# Altium PCB ESC_4in1.PcbDoc (part 2 of 3)
Units mm, origin at the board's own origin, x right, y up, seen from the top; angles counter-clockwise.
Board outline 33 x 33 mm, 6 copper layers (Top Layer, VBAT, Layer 3, Layer 4, GND, Bottom Layer), stack 0.816 mm thick; 185 components, 151 nets, 787 pads, 340 vias.
Unrouted connection lines stored in the file: 1.
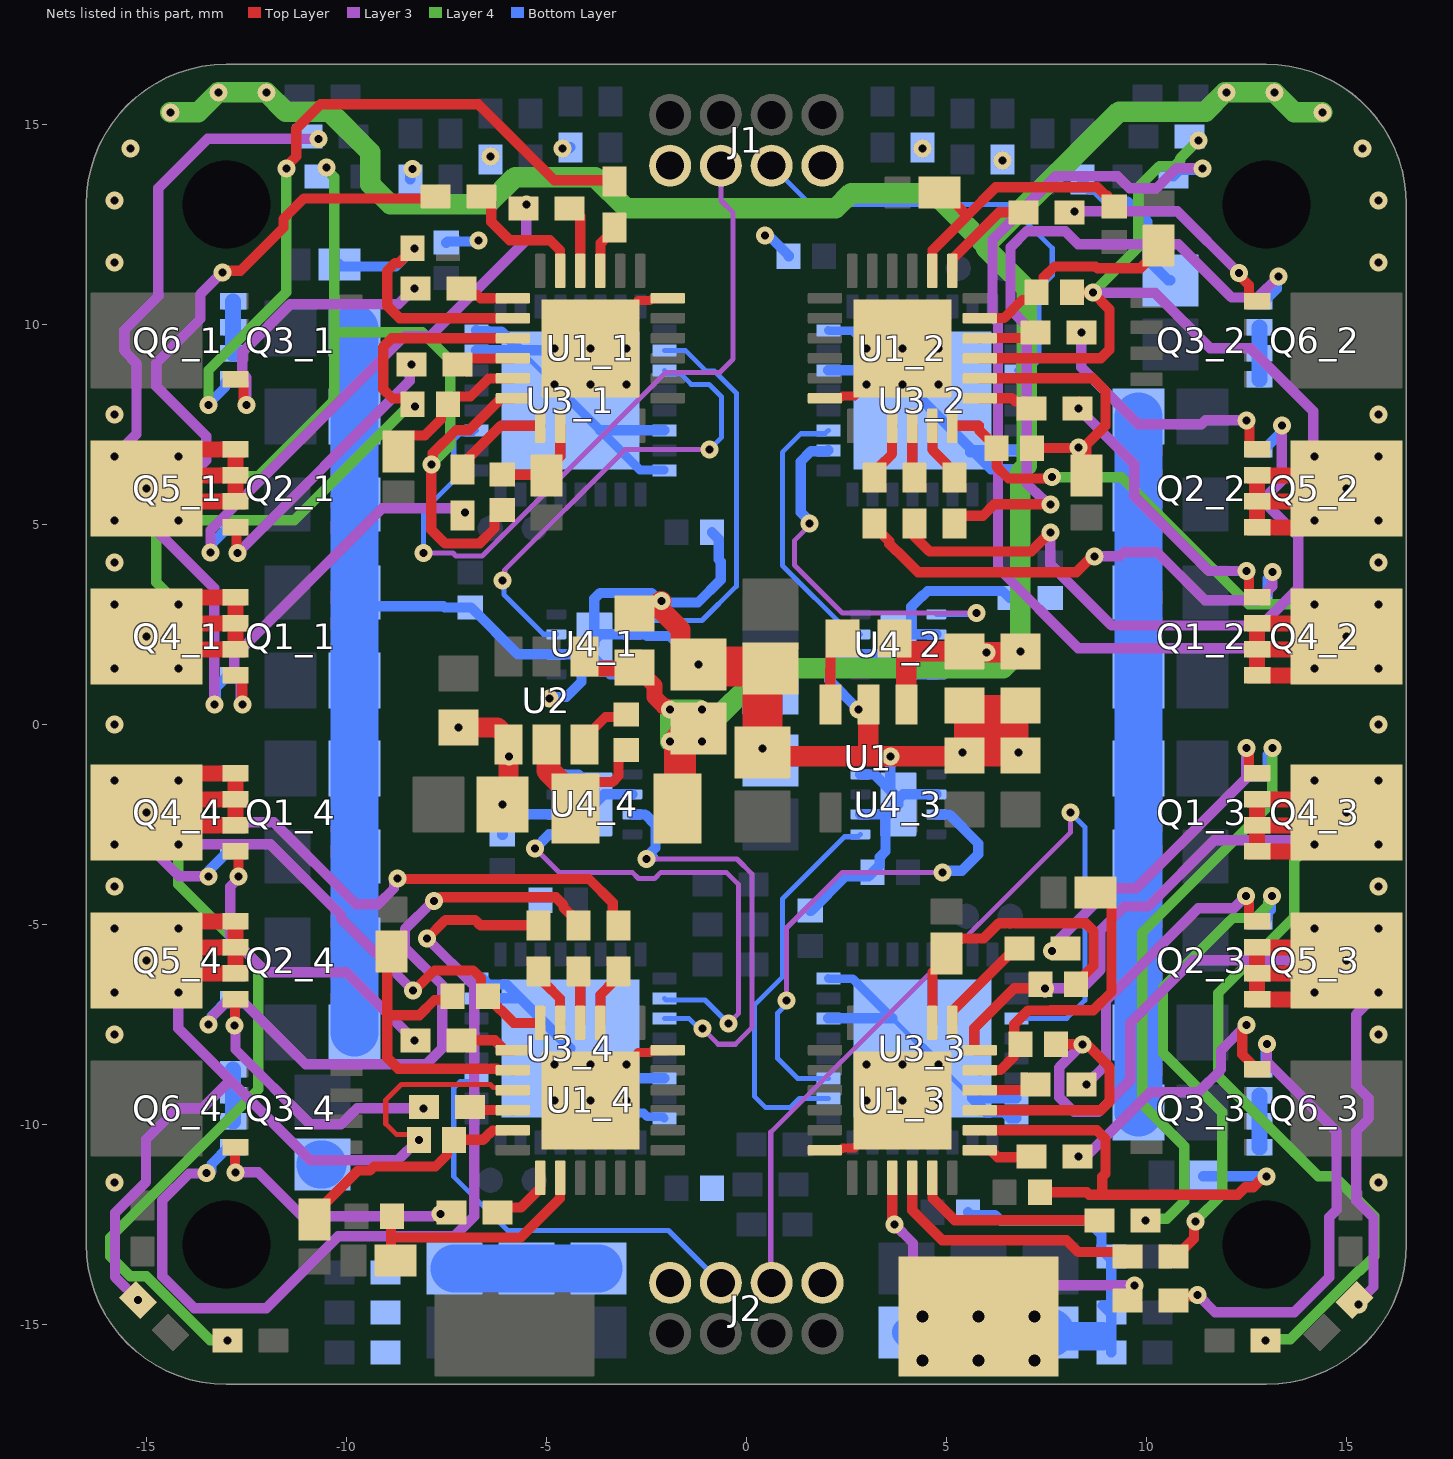
[diagram p6: the nets of this part, all layers, seen from the top]

## Via types
v1: diameter 0.45, hole 0.2, Top Layer to Bottom Layer, tented both sides, 328 vias
v2: diameter 0.6, hole 0.3, Top Layer to Bottom Layer, tented both sides, 12 vias

## Nets (pads, with @x,y where several pads share a name; then routed paths per layer and width w, separated by ;. In a path a pad name is that pad's centre, name@x,y a point inside that pad or via, vN(x,y) a via of type N, cw(c..) or ccw(c..) an arc to the next point about the centre after c; other vN are vias at no path point) (continued)
5V: C6.2 C7.1 C12.2 C13.2 L1.2 R2.2 U1.1 U2.1 | length 66.6
  Top Layer w0.254: L1.2@-1.725,-2.1 L1.2@-1.662,-2.038
  Top Layer w0.4: U2.1@-3.917,1.833 U2.1@-4.05,1.7 -4.05,1.55 -3.9,1.4 -2.7,1.4 -2.7,1.375 -2.3,0.975 -2.3,0.684 -2.066,0.45 -2.001,0.45 -1.92,0.369 v1(-1.906,0.369)
  Top Layer w0.512: R2.2@3.7,2.15 R2.2@3.7,2.123 ; U1.1@4,0.5 4,1.8 3.7,2.1 R2.2@3.7,2.123 ; v1(6.85,1.825) 6.825,1.8 5.475,1.8 C6.2@5.45,1.825 3.998,1.825 R2.2@3.7,2.123
  Top Layer w0.8: L1.2@-1.662,-2.038 C13.2@-1.662,-0.431
  Layer 4 w0.512: v1(-14.4,15.3) -13.7,15.3 v1(-13.2,15.8) v1(-12,15.8) -11.519,15.319 -10.419,15.319 -9.4,14.3 -9.4,13.5 -8.9,13 -6.463,13 -5.782,13.681 -3.781,13.681 -3,12.9 2.237,12.9 2.618,13.281 4.682,13.281 5.982,11.982 ; v1@-1.181,0.369 v1(-1.906,0.369) v1(-1.906,-0.431) -1.331,-0.431 -1.106,-0.206 ; v1(-1.106,-0.431) -1.106,-0.206 ; v1(6,1.8) 6.825,1.8 v1(6.85,1.825) ; v1(14.4,15.3) 13.7,15.3 v1(13.2,15.8) 11.963,15.8 11.482,15.319 9.319,15.319 5.982,11.982 ; -1.106,-0.206 0.5,1.4 6.425,1.4 v1(6.85,1.825) ; 5.982,11.982 5.982,11.915 7.012,10.885 7.012,6.469 6.85,6.307 v1(6.85,1.825)
  other v1: -1.106,0.369 12,15.8
BSTA_1: C3_1.1 D1_1.1 U1_1.20 | length 2.5
  Top Layer w0.254: C3_1.1@-6.1,6.24 -5.015,6.24 D1_1.1@-5,6.225 -5,6.35 -4.65,6.7 U1_1.20@-4.65,7.465
BSTA_2: C3_2.1 D1_2.1 U1_2.20 | length 6.9
  Top Layer w0.254: U1_2.20@4.65,11.335 4.658,11.343 4.658,11.851 4.899,12.092 ; D1_2.1@4.825,13.3 4.95,13.3 5.223,13.027 5.223,13.019 5.525,12.718 4.899,12.092 ; 5.529,12.721 6.234,13.427 8.773,13.427 8.987,13.213 9.027,13.213 9.027,13.113 C3_2.1@9.2,12.94
BSTA_3: C3_3.1 D1_3.1 U1_3.20 | length 7.5
  Top Layer w0.254: U1_3.20@4.65,-7.465 4.658,-7.457 4.658,-6.192 5,-5.85 5,-5.625 5.273,-5.352 5.936,-5.352 6.315,-4.973 8.485,-4.973 8.677,-5.165 8.677,-6.043 8.24,-6.48 C3_3.1@8.24,-6.5
BSTA_4: C3_4.1 D1_4.1 U1_4.20 | length 6.3
  Top Layer w0.254: D1_4.1@-9.075,-13.4 -8.88,-13.205 -8.88,-12.827 ; C3_4.1@-8.86,-12.3 -8.88,-12.32 -8.88,-12.827 ; U1_4.20@-4.65,-11.335 -4.658,-11.343 -4.658,-11.851 -4.899,-12.092 -5.634,-12.827 -8.88,-12.827
BSTB_1: C2_1.1 D2_1.1 U1_1.17 | length 3.8
  Top Layer w0.254: D2_1.1@-8.7,6.825 -8.7,6.95 -8.427,7.223 -8.035,7.223 -7.633,7.625 -7.633,7.827 C2_1.1@-7.46,8 -7.46,8.02 -7.287,8.193 -6.895,8.193 -6.446,8.642 -5.843,8.642 U1_1.17@-5.835,8.65
BSTB_2: C2_2.1 D2_2.1 U1_2.17 | length 5.5
  Top Layer w0.254: U1_2.17@5.835,10.15 5.843,10.158 6.446,10.158 6.895,10.607 7.087,10.607 7.26,10.78 C2_2.1@7.26,10.8 7.433,10.973 7.433,11.175 7.705,11.447 8.731,11.447 8.778,11.4 9.85,11.4 10.3,11.85 D2_2.1@10.3,11.975
BSTB_3: C2_3.1 D2_3.1 U1_3.17 | length 7.6
  Top Layer w0.254: U1_3.17@5.835,-8.65 5.843,-8.642 6.358,-8.642 6.687,-8.313 6.687,-8.173 C2_3.1@6.86,-8 ; C2_3.1@6.996,-7.864 C2_3.1@6.86,-8 ; D2_3.1@8.725,-4.2 8.85,-4.2 9.131,-4.481 9.131,-6.691 8.675,-7.147 7.605,-7.147 7.6,-7.152 7.048,-7.152 6.7,-7.5 6.7,-7.84 C2_3.1@6.86,-8
BSTB_4: C2_4.1 D2_4.1 U1_4.17 | length 6.2
  Top Layer w0.127: C2_4.1@-7.544,-10.628 -7.481,-10.564 C2_4.1@-7.308,-10.391
  Top Layer w0.254: D2_4.1@-10.8,-12.375 -10.8,-12.25 -9.702,-11.152 -9.405,-11.152 -9.307,-11.054 -7.769,-11.054 -7.481,-10.767 C2_4.1@-7.481,-10.564 ; C2_4.1@-7.26,-10.5 -7.146,-10.386 -6.579,-10.386 -6.42,-10.227 -6.415,-10.227 -6.346,-10.158 -5.843,-10.158 U1_4.17@-5.835,-10.15
BSTC_1: C1_1.1 D3_1.1 U1_1.14 | length 7.2
  Top Layer w0.254: C1_1.1@-8.378,11.862 C1_1.1@-8.34,11.9 ; v1(-8.3,11.9) C1_1.1@-8.34,11.9 ; U1_1.14@-5.835,10.15 -8.662,10.15 -8.977,10.465 -8.977,11.335 -8.785,11.527 -8.693,11.527 -8.34,11.88 C1_1.1@-8.34,11.9
  Bottom Layer w0.254: D3_1.1@-10.175,11.5 -10.118,11.443 -8.757,11.443 v1(-8.3,11.9)
BSTC_2: C1_2.1 D3_2.1 U1_2.14 | length 7.7
  Top Layer w0.254: U1_2.14@5.835,8.65 8.662,8.65 8.977,8.335 8.977,7.465 v1@8.5,6.988 ; C1_2.1@7.14,6.9 7.147,6.907 8.295,6.907 v1(8.302,6.914) 8.302,6.423 D3_2.1@8.5,6.225 v1@8.5,6.988 ; v1@8.406,6.894 v1@8.5,6.988 ; 8.556,7.044 v1@8.5,6.988
BSTC_3: C1_3.1 D3_3.1 U1_3.14 | length 12.1
  Top Layer w0.254: U1_3.14@5.835,-10.15 8.762,-10.15 8.977,-10.365 8.977,-11.235 8.9,-11.312 8.9,-11.762 ; C1_3.1@7.34,-11.7 8.512,-11.7 8.574,-11.762 8.9,-11.762 ; v1(13,-11.3) 12.947,-11.3 12.674,-11.573 12.474,-11.573 12.285,-11.762 8.9,-11.762
  Bottom Layer w0.254: D3_3.1@11.425,-11.3 v1(13,-11.3)
BSTC_4: C1_4.1 D3_4.1 U1_4.14 | length 7.8
  Top Layer w0.254: D3_4.1@-8.869,-5.685 -8.977,-5.793 -8.977,-7.3 ; C1_4.1@-7.34,-6.8 -7.433,-6.893 -7.793,-6.893 -8.173,-7.273 -8.95,-7.273 -8.977,-7.3 ; U1_4.14@-5.835,-8.65 -5.843,-8.642 -6.209,-8.642 -6.239,-8.612 -8.7,-8.612 -8.977,-8.335 -8.977,-7.3
ESC1: J1.3 U3_1.27 | length 18.6
  Layer 3 w0.127: v1(-8.075,4.282) -7.335,4.282 -7.257,4.204 -6.605,4.204 -2.009,8.8 -0.659,8.8 -0.328,9.131 -0.328,12.79 -0.635,13.097 J1.3@-0.635,13.965
  Bottom Layer w0.127: v1(-8.075,4.282) -8.075,5.325 -7.314,6.086 -7.314,7.109 -7.159,7.264 -6.837,7.264 U3_1.27@-6.75,7.35
ESC2: J1.5 U3_2.27 | length 11.5
  Bottom Layer w0.127: J1.5@0.635,13.965 1.6,13 6.551,13 7.648,11.902 7.648,11.222 7.313,10.887 7.313,9.091 7.159,8.936 6.836,8.936 U3_2.27@6.75,8.85
ESC3: J2.3 U3_3.27 | length 21.6
  Layer 3 w0.127: J2.3@0.635,-13.965 0.611,-13.941 0.611,-10.198 8.1,-2.709 v1(8.1,-2.204)
  Bottom Layer w0.127: U3_3.27@6.75,-7.35 8.012,-7.35 8.463,-6.898 8.463,-2.567 v1(8.1,-2.204)
ESC4: J2.5 U3_4.27 | length 10.7
  Bottom Layer w0.127: U3_4.27@-6.75,-8.85 -6.836,-8.936 -7.159,-8.936 -7.313,-9.091 -7.313,-11.308 -5.965,-12.657 -1.943,-12.657 J2.5@-0.635,-13.965
GHA_1: R3_1.1 U1_1.19 | length 2.5
  Top Layer w0.254: R3_1.1@-7.1,6.375 -6.927,6.548 -6.927,6.673 -6.135,7.465 U1_1.19@-5.15,7.465
GHA_2: R3_2.1 U1_2.19 | length 2.6
  Top Layer w0.254: U1_2.19@5.15,11.335 5.15,11.63 6.32,12.8 R3_2.1@6.925,12.8
GHA_3: R3_3.1 U1_3.19 | length 2.6
  Top Layer w0.254: U1_3.19@5.15,-7.465 5.158,-7.457 5.158,-7.162 6.547,-5.773 6.652,-5.773 R3_3.1@6.825,-5.6
GHA_4: R3_4.1 U1_4.19 | length 1.6
  Top Layer w0.254: R3_4.1@-6.225,-12.2 -6.108,-12.083 -5.636,-12.083 -5.192,-11.638 -5.158,-11.638 -5.15,-11.63 U1_4.19@-5.15,-11.335
GHB_1: R14_1.1 U1_1.16 | length 1.5
  Top Layer w0.254: R14_1.1@-7.225,9 -7.083,9.142 -5.843,9.142 U1_1.16@-5.835,9.15
GHB_2: R14_2.1 U1_2.16 | length 1.5
  Top Layer w0.254: U1_2.16@5.835,9.65 5.843,9.658 7.083,9.658 R14_2.1@7.225,9.8
GHB_3: R14_3.1 U1_3.16 | length 1.5
  Top Layer w0.254: U1_3.16@5.835,-9.15 5.843,-9.142 7.083,-9.142 R14_3.1@7.225,-9
GHB_4: R14_4.1 U1_4.16 | length 1.1
  Top Layer w0.254: R14_4.1@-6.925,-9.6 -6.883,-9.642 -5.843,-9.642 U1_4.16@-5.835,-9.65
GHC_1: R16_1.1 U1_1.13 | length 1.4
  Top Layer w0.254: R16_1.1@-7.125,10.9 -6.952,10.727 -6.723,10.727 -6.646,10.65 U1_1.13@-5.835,10.65
GHC_2: R16_2.1 U1_2.13 | length 1.4
  Top Layer w0.254: U1_2.13@5.835,8.15 6.646,8.15 6.723,8.073 6.952,8.073 R16_2.1@7.125,7.9
GHC_3: R16_3.1 U1_3.13 | length 1.4
  Top Layer w0.254: U1_3.13@5.835,-10.65 6.13,-10.65 6.138,-10.658 6.138,-10.674 6.287,-10.823 7.048,-10.823 7.071,-10.8 R16_3.1@7.125,-10.8
GHC_4: R16_4.1 U1_4.13 | length 1.4
  Top Layer w0.254: R16_4.1@-7.125,-7.9 -6.287,-7.9 -6.138,-8.049 -6.138,-8.142 -6.13,-8.15 U1_4.13@-5.835,-8.15
GLA_1: R13_1.1 U1_1.11 | length 3.3
  Top Layer w0.254: R13_1.1@-6.625,13.2 -6.55,13.2 -6.377,13.027 -6.377,12.565 -5.912,12.1 -4.907,12.1 -4.658,11.851 -4.658,11.343 U1_1.11@-4.65,11.335
GLA_2: R13_2.1 U1_2.11 | length 1.5
  Top Layer w0.254: U1_2.11@4.65,7.465 4.658,7.457 4.658,6.854 5.027,6.485 5.027,6.348 R13_2.1@5.2,6.175
GLA_3: R13_3.1 U1_3.11 | length 4.9
  Top Layer w0.254: U1_3.11@4.65,-11.335 4.658,-11.343 4.658,-11.851 5.207,-12.4 R13_3.1@8.825,-12.4
GLA_4: R13_4.1 U1_4.11 | length 1.5
  Top Layer w0.254: R13_4.1@-5.2,-6.175 -5.027,-6.348 -5.027,-6.485 -4.658,-6.854 -4.658,-7.457 U1_4.11@-4.65,-7.465
GLB_1: R15_1.1 U1_1.10 | length 1.7
  Top Layer w0.254: R15_1.1@-4.425,12.9 -4.35,12.9 -4.15,12.7 U1_1.10@-4.15,11.335
GLB_2: R15_2.1 U1_2.10 | length 1.3
  Top Layer w0.254: U1_2.10@4.15,7.465 4.15,6.225 R15_2.1@4.2,6.175
GLB_3: R15_3.1 U1_3.10 | length 6.7
  Top Layer w0.254: U1_3.10@4.15,-11.335 4.15,-12.15 4.9,-12.9 8,-12.9 8.289,-13.189 9.414,-13.189 R15_3.1@9.525,-13.3
GLB_4: R15_4.1 U1_4.10 | length 1.3
  Top Layer w0.254: R15_4.1@-4.2,-6.175 -4.15,-6.225 U1_4.10@-4.15,-7.465
GLC_1: R17_1.1 U1_1.9 | length 1.2
  Top Layer w0.254: U1_1.9@-3.65,11.335 -3.642,11.343 -3.642,12.028 -3.493,12.177 -3.473,12.177 -3.3,12.35 R17_1.1@-3.3,12.425
GLC_2: R17_2.1 U1_2.9 | length 1.5
  Top Layer w0.254: R17_2.1@3.2,6.175 3.2,6.25 3.3,6.35 3.3,6.412 3.642,6.754 3.642,7.457 U1_2.9@3.65,7.465
GLC_3: R17_3.1 U1_3.9 | length 8.1
  Top Layer w0.254: U1_3.9@3.65,-11.335 3.65,-12.397 3.7,-12.447 v1(3.7,-12.5)
  Layer 3 w0.254: v1(3.7,-12.5) 4.169,-12.969 4.169,-13.469 4.725,-14.025 v1(9.7,-14.025)
GLC_4: R17_4.1 U1_4.9 | length 1.5
  Top Layer w0.254: U1_4.9@-3.65,-7.465 -3.642,-7.457 -3.642,-6.754 -3.3,-6.412 -3.3,-6.35 -3.2,-6.25 R17_4.1@-3.2,-6.175
GND: C1.1 C2.1 C3.1 C4.1 C5.1 C6.1 C7.2 C8.2 C9.1 C11.1 C12.1 C13.1 C14.1 C15.2 C16.1 C16_1.1 C16_2.1 C16_3.1 C16_4.1 C17.1 C17_1.1 C17_2.1 C17_3.1 C17_4.1 C18.1 C19.1 C20.1 C21.1 C22.1 C23.1 C24.1 C25.1 C26.1 C27.1 C28.1 C29.1 C30.1 C31.1 C32_1.2 C32_2.2 C32_3.2 C32_4.2 J1.1 J1.7 J2.1 J2.7 pad.2@5.8,-14.8 Q6_1.1 Q6_1.2 Q6_1.3 Q6_2.1 Q6_2.2 Q6_2.3 Q6_3.1 Q6_3.2 Q6_3.3 Q6_4.1 Q6_4.2 Q6_4.3 R1_1.1 R1_2.1 R1_3.1 R1_4.1 R10_1.1 R10_2.1 R10_3.1 R10_4.1 R11_1.1 R11_2.1 R11_3.1 R11_4.1 R12_1.1 R12_2.1 R12_3.1 R12_4.1 R18_1.1 R18_2.1 R18_3.1 R18_4.1 U1.2 U1_1.6 U1_1.25 U1_2.6 U1_2.25 U1_3.6 U1_3.25 U1_4.6 U1_4.25 U2.4 U3_1.0 U3_1.14 U3_1.16 U3_1.31 U3_1.32 U3_2.0 U3_2.14 U3_2.16 U3_2.31 U3_2.32 U3_3.0 U3_3.14 U3_3.16 U3_3.31 U3_3.32 U3_4.0 U3_4.14 U3_4.16 U3_4.31 U3_4.32 U4_1.2 U4_1.4 U4_1.6 U4_1.9 U4_2.2 U4_2.4 U4_2.6 U4_2.9 U4_3.2 U4_3.4 U4_3.6 U4_3.9 U4_4.2 U4_4.4 U4_4.6 U4_4.9 | length 178.9
  Top Layer w0.22: v1(-4.8,8.5) v1(-3.9,9.4) -2.705,10.595 -2.406,10.595 -2.376,10.625 -2.075,10.625 U1_1.6@-2.059,10.642 ; v1(-3.9,-9.4) v1(-3,-8.5) -2.705,-8.205 -2.421,-8.205 -2.406,-8.205 -2.376,-8.175 -1.99,-8.175 U1_4.6@-1.965,-8.15 ; U1_3.6@1.965,-10.65 1.99,-10.625 2.376,-10.625 2.406,-10.595 2.705,-10.595 3.107,-10.192 3.107,-9.507 3.215,-9.4 v1(3.9,-9.4) ; U1_2.6@1.965,8.15 1.99,8.175 2.376,8.175 2.406,8.205 2.705,8.205 v1(3,8.5) v1(3.9,9.4)
  Top Layer w0.254: C22.1@0.4,-0.7 v1(0.4,-0.6) ; C1.1@0.4,1.2 C1.1@0.6,1.4
  Top Layer w0.5: v1(-7.2,-0.075) -6.225,-0.075 -5.95,-0.35 U2.4@-5.95,-0.5 -5.95,-1.85 v1(-6.1,-2) ; v1(-2.122,3.084) -2.141,3.084 -2.225,3 -2.225,2.95 -1.65,2.375 -1.65,1.9 -1.25,1.5 v1(-1.2,1.5)
  Top Layer w0.512: C22.1@0.4,-0.7 0.5,-0.8 3.1,-0.8 ; U1.2@3.05,0.5 3.05,-0.75 3.1,-0.8 ; v1(5.4,-0.7) 5.4,-0.725 C9.1@5.45,-0.775 ; C6.1@5.572,0.353 C6.1@5.45,0.475 ; C7.2@6.8,0.475 6.125,0.475 ; C8.2@6.85,-0.775 6.825,-0.8 6.125,-0.8 ; C8.2@6.85,-0.65 v1(6.8,-0.7) 6.8,-0.138 ; C7.2@6.85,0.475 6.8,0.425 6.8,-0.138 ; 3.1,-0.8 v1(3.6,-0.8) 5.425,-0.8 C9.1@5.45,-0.775 ; C9.1@5.45,-0.775 5.45,-0.138 ; C9.1@5.45,-0.775 5.475,-0.8 6.125,-0.8 ; 5.45,-0.138 6.125,-0.138 ; 5.45,-0.138 C6.1@5.45,0.475 ; C6.1@5.45,0.475 6.125,0.475 ; 6.125,-0.8 6.125,-0.138 ; 6.125,-0.138 6.125,0.475 ; 6.125,-0.138 6.8,-0.138
  Top Layer w1: v1(-1.2,1.5) -1.15,1.45 0.55,1.45 C1.1@0.6,1.4 ; v1(0.4,-0.6) C1.1@0.4,1.2
  Bottom Layer w0.127: U3_1.0@-5.65,9.35 v1(-4.8,8.5) ; U3_4.0@-3,-9.5 v1(-3,-9.4) ; U3_3.0@3.65,-7.35 U3_3.0@4.4,-8.1 ; v1(4.8,-8.5) U3_3.0@5.65,-9.35
  Bottom Layer w0.22: U3_1.0@-4.4,8.1 -3.65,7.35 -2.66,6.36 -2.06,6.36 U3_1.16@-2.05,6.35 ; U3_4.0@-3,-9.5 -2.785,-9.715 -2.573,-9.715 -2.478,-9.81 -2.09,-9.81 U3_4.16@-2.05,-9.85 ; U3_3.16@2.05,-6.35 2.06,-6.36 2.66,-6.36 U3_3.0@3.65,-7.35 ; U3_2.16@2.05,9.85 2.06,9.84 2.66,9.84 3.65,8.85 U3_2.0@4.4,8.1
  Bottom Layer w0.254: R1_1.1@-9.8,3.3 -9.452,2.952 -7.571,2.952 -7.539,2.92 C32_1.2@-6.9,2.92 -6.88,2.92 -5.71,1.75 U4_1.6@-4.75,1.75 -4.123,1.75 -3.925,1.948 U4_1.9@-3.925,2 ; R10_1.1@-8.4,13.625 -8.4,13.82 v1(-8.34,13.88) ; C16_1.1@-7.5,12.04 -7.47,12.07 -6.73,12.07 v1(-6.7,12.1) ; U3_4.31@-6.75,-6.85 U3_4.0@-5.65,-6.85 ; U3_4.32@-6.75,-6.35 -6.6,-6.35 -6.448,-6.502 -5.998,-6.502 U3_4.0@-5.65,-6.85 ; U3_1.31@-6.75,9.35 U3_1.0@-5.65,9.35 ; U3_1.32@-6.75,9.85 -6.727,9.827 -6.439,9.827 -6.435,9.823 -6.123,9.823 U3_1.0@-5.65,9.35 ; R11_1.1@-6.4,14.125 v1(-6.4,14.2) ; C32_4.2@-6.08,-2.76 C32_4.2@-6.1,-2.76 -6.1,-2.25 ; v1@-6.047,-2 v1(-6.1,-2) -6.1,-2.25 ; v1(-4.916,0.648) -4.879,0.686 -4.495,0.686 -4.123,1.058 -4.123,1.677 U4_1.9@-3.8,2 U4_1.9@-3.8,2.1 ; v1(-4.8,9.4) -4.85,9.35 U3_1.0@-5.65,9.35 ; U4_4.4@-4.75,-1.25 -4.748,-1.252 -4.198,-1.252 -3.8,-1.65 U4_4.9@-3.8,-2 ; v1(-4.6,14.4) -4.425,14.4 R12_1.1@-4.4,14.425 ; U3_4.0@-4.4,-8.1 U3_4.0@-5.65,-6.85 ; U4_1.9@-4.05,1.65 -3.8,1.65 -3.402,1.252 -2.852,1.252 U4_1.4@-2.85,1.25 ; v1(-3.9,-8.5) -3.55,-8.85 U3_4.14@-2.05,-8.85 ; U4_1.9@-3.85,2.05 U4_1.9@-3.8,2.1 ; U3_1.0@-3.65,7.35 U3_1.14@-2.05,7.35 ; U4_4.6@-2.85,-1.75 -3.55,-1.75 U4_4.9@-3.8,-2 ; v1(-1.2,1.5) -1.905,2.205 -2.486,2.205 -2.529,2.248 -2.848,2.248 U4_1.2@-2.85,2.25 -3.65,2.25 U4_1.9@-3.8,2.1 ; C17_1.1@-0.86,4.8 -0.687,4.627 -0.687,4.117 -0.641,4.07 -0.641,3.613 -1.207,3.047 -2.085,3.047 v1(-2.122,3.084) -2.175,3.084 -2.377,3.286 -3.651,3.286 -3.8,3.137 U4_1.9@-3.8,2.1 ; v1@0.445,12.2 v1(0.464,12.219) 0.501,12.181 0.599,12.181 1.06,11.72 C17_2.1@1.06,11.7 ; C17_3.1@1.6,-4.66 1.62,-4.66 2.479,-3.801 3.059,-3.801 C32_3.2@3.16,-3.7 3.333,-3.527 3.333,-3.325 3.477,-3.181 3.477,-2.323 U4_3.9@3.55,-2.25 ; U3_3.14@2.05,-7.35 U3_3.0@3.65,-7.35 ; U3_2.14@2.05,8.85 U3_2.0@3.65,8.85 ; v1(2.8,0.37) 2.073,1.097 2.073,1.492 2.329,1.748 2.848,1.748 U4_2.6@2.85,1.75 3.55,1.75 U4_2.9@3.8,2 U4_2.9@4.05,2.25 ; U4_3.2@2.85,-2.25 U4_3.9@3.55,-2.25 ; U4_3.4@2.85,-1.25 2.853,-1.252 3.202,-1.252 U4_3.9@3.6,-1.65 ; v1(3.6,-0.8) U4_3.9@3.6,-1.65 ; U4_2.9@3.6,1.65 3.8,1.65 4.198,1.252 4.748,1.252 U4_2.4@4.75,1.25 ; U4_3.9@3.737,-1.937 U4_3.9@3.8,-1.873 ; C26.1@4,-15.2 4.4,-15.2 v2(4.4,-15.9) v2(5.8,-15.9) ; U3_3.0@4.4,-8.1 v1(4.8,-8.5) ; U3_2.0@4.4,8.1 5.6,6.9 5.6,6.8 5.7,6.8 6.123,6.377 6.435,6.377 6.439,6.373 6.727,6.373 U3_2.32@6.75,6.35 ; v1(4.4,14.4) R12_2.1@4.4,14.425 ; U4_3.6@4.75,-1.75 3.923,-1.75 U4_3.9@3.8,-1.873 ; U4_2.2@4.75,2.25 U4_2.9@4.05,2.25 ; C16_3.1@5.54,-12.2 5.613,-12.273 6.221,-12.273 6.348,-12.4 8.525,-12.4 8.877,-12.752 8.877,-13.127 9.05,-13.3 R12_3.1@9.125,-13.3 9.125,-14.527 8.91,-14.527 9.083,-14.7 R10_3.1@9.125,-14.7 R11_3.1@9.125,-15.7 ; U3_2.0@5.65,6.85 U3_2.31@6.75,6.85 ; C25.1@5.8,-15.2 5.8,-15.3 v2(5.8,-15.9) ; v1(6.4,14.1) R11_2.1@6.4,14.125 ; C32_2.2@6.6,3.16 6.58,3.16 6.407,3.333 4.533,3.333 4.402,3.202 4.383,3.202 4.123,2.942 4.123,2.323 U4_2.9@4.05,2.25 ; U3_3.32@6.75,-9.85 6.6,-9.85 6.448,-9.698 5.998,-9.698 5.65,-9.35 U3_3.31@6.75,-9.35 ; C23.1@7.7,-15.3 C23.1@7.6,-15.2 7.5,-15.3 7.2,-15.6 v2(7.2,-15.9) v2(5.8,-15.9) ; R10_2.1@8.4,13.625 8.4,13.55 8.573,13.377 8.711,13.377 9.015,13.073 9.527,13.073 10.027,12.573 10.027,11.623 10.55,11.1 C20.1@10.6,11.1 ; -6.1,-2.25 U4_4.2@-4.75,-2.25 -4.05,-2.25 U4_4.9@-3.8,-2 ; U4_3.9@3.55,-2.25 U4_3.9@3.8,-2 U4_3.9@3.8,-1.873 ; U4_3.9@3.6,-1.65 3.8,-1.85 U4_3.9@3.8,-1.873
  Bottom Layer w0.4: Q6_4.3@-12.83,-9.925 Q6_4.2@-12.83,-9.275 Q6_4.1@-12.83,-8.625 ; Q6_1.3@-12.83,9.275 Q6_1.2@-12.83,9.925 Q6_1.1@-12.83,10.575 ; Q6_3.1@12.83,-10.575 Q6_3.2@12.83,-9.925 Q6_3.3@12.83,-9.275 ; Q6_2.1@12.83,8.625 Q6_2.2@12.83,9.275 Q6_2.3@12.83,9.925
  Bottom Layer w0.712: C26.1@4,-15.2 C26.1@4.1,-15.3 ; C25.1@5.8,-15.3 C25.1@5.9,-15.3 ; C23.1@7.7,-15.3 8.9,-15.3
  Bottom Layer w1: C25.1@5.8,-15.2 C25.1@5.9,-15.3 ; C23.1@7.5,-15.3 C23.1@7.65,-15.3
  Bottom Layer w1.2: C31.1@-10.65,-11 C31.1@-10.6,-11 ; C29.1@-9.8,-7.7 C19.1@-9.8,-1.1 C4.1@-9.8,1.1 -9.8,3.3 C11.1@-9.8,7.7 C3.1@-9.8,9.9 ; C5.1@-7.3,-13.6 C21.1@-5.5,-13.6 C18.1@-3.7,-13.6 ; C26.1@4.4,-15.2 C25.1@5.8,-15.2 C23.1@7.6,-15.2 ; C28.1@9.8,-9.7 C27.1@9.8,-7.7 9.8,-3.3 C30.1@9.8,-1.1 C24.1@9.8,1.1 C2.1@9.8,7.7
  other v1: -15.8,-11.45 15.8,-11.45 -4.8,-9.4 3,-9.4 4.8,-9.4 -4.8,-8.5 3,-8.5 3.9,-8.5 -15.8,-7.75 15.8,-7.75 -15.8,-4.05 15.8,-4.05 -5.927,-0.8 -15.8,0 15.8,0 -15.8,4.05 15.8,4.05 -15.8,7.75 15.8,7.75 -3.9,8.5 -3,8.5 3.9,8.5 4.8,8.5 -3,9.4 3,9.4 4.8,9.4 -15.8,11.55 15.8,11.55 -15.8,13.1 15.8,13.1 -15.4,14.4 15.4,14.4
  other v2: 4.4,-14.8 5.8,-14.8 7.2,-14.8
GU_H1: Q1_1.4 R3_1.2 | length 9.1
  Top Layer w0.254: Q1_1.4@-12.77,1.225 -12.683,1.225 -12.6,1.142 v1(-12.6,0.5)
  Layer 3 w0.254: v1(-12.6,0.5) -12.638,0.538 -12.638,1.099 -12.8,1.261 -12.8,1.7 -9.1,5.4 -7.4,5.4
  other v1: -7.027,5.297
GU_H2: Q1_2.4 R16_2.2 | length 7.3
  Top Layer w0.127: R16_2.2@8.327,8.141 R16_2.2@8.335,8.15
  Top Layer w0.254: v1@12.5,3.8 12.5,3.761 v1@12.567,3.694 ; v1(12.501,3.835) 12.501,3.782 12.567,3.715 v1@12.567,3.694 ; Q1_2.4@12.77,3.175 12.65,3.175 12.567,3.258 v1@12.567,3.694
  Layer 3 w0.254: v1(8.3,7.9) 9.7,6.5 9.7,5.7 11.565,3.835 v1(12.501,3.835)
GU_H3: Q1_3.4 R3_3.2 | length 8.3
  Top Layer w0.254: v1(12.5,-0.59) 12.5,-0.643 12.567,-0.71 12.567,-1.142 12.65,-1.225 Q1_3.4@12.77,-1.225
  Layer 3 w0.254: v1(7.637,-5.663) 7.637,-5.609 7.8,-5.447 7.8,-5.4 9.1,-4.1 9.745,-4.1 12.5,-1.345 v1@12.5,-0.6
GU_H4: Q1_4.4 R16_4.2 | length 7.9
  Top Layer w0.254: Q1_4.4@-12.77,-3.175 -12.697,-3.248 v1(-12.697,-3.81)
  Layer 3 w0.254: v1(-12.697,-3.81) -12.697,-3.854 -12.9,-4.057 -12.9,-5.3 -12,-6.2 -10,-6.2 v1(-8.3,-7.9)
GU_L1: Q4_1.4 R13_1.2 | length 20.4
  Top Layer w0.254: v1(-13.1,11.3) -13.062,11.338 -12.644,11.338 -11.573,12.409 -11.573,12.631 -11.056,13.148 -7.827,13.148 R13_1.2@-7.775,13.2
  Layer 3 w0.254: v1(-13.3,0.5) -13.3,3.4 -14.752,4.852 -14.752,5.35 -13.5,6.602 -13.5,7.2 -14.752,8.452 -14.752,9.029 -13.648,10.133 -13.648,10.752 v1(-13.1,11.3)
  Bottom Layer w0.254: v1(-13.3,0.5) -13.262,0.538 -13.262,0.913 -12.95,1.225 Q4_1.4@-12.83,1.225
GU_L2: Q4_2.4 R17_2.2 | length 12.6
  Top Layer w0.254: R17_2.2@3.2,5.025 3.2,4.95 3.573,4.577 3.573,4.515 3.765,4.323 3.777,4.323 4.3,3.8 8.247,3.8 8.647,4.2 v1(8.7,4.2)
  Layer 3 w0.254: v1(8.7,4.2) 9.333,4.2 9.433,4.3 10.265,4.3 11.465,3.1 12.8,3.1 13.15,3.45 v1(13.15,3.807)
  Bottom Layer w0.254: Q4_2.4@12.83,3.175 12.95,3.175 13.033,3.258 13.033,3.637 13.15,3.754 v1(13.15,3.807) v1@13.2,3.757
GU_L3: Q4_3.4 R13_3.2 | length 15.2
  Layer 4 w0.254: v1(9.975,-12.4) 10.013,-12.362 10.513,-12.362 10.948,-11.927 10.948,-10.548 9.9,-9.5 9.9,-5.204 13.15,-1.954 v1(13.15,-0.593)
  Bottom Layer w0.254: Q4_3.4@12.83,-1.225 12.95,-1.225 13.033,-1.142 13.033,-0.763 13.15,-0.646 v1(13.15,-0.593) v1@13.193,-0.593
GU_L4: Q4_4.4 R17_4.2 | length 16.6
  Top Layer w0.254: v1(-8.725,-3.85) -8.706,-3.869 -3.931,-3.869 -3.34,-4.46 -3.34,-4.885 R17_4.2@-3.2,-5.025
  Layer 3 w0.254: v1@-13.4,-3.8 -14.181,-3.8 -14.752,-3.229 -14.752,-2.771 -14.429,-2.448 -11.81,-2.448 -9.758,-4.5 -9.2,-4.5 -8.807,-4.107 -8.807,-3.984 -8.725,-3.903 v1(-8.725,-3.85)
  Bottom Layer w0.254: v1(-13.45,-3.8) -13.413,-3.763 -13.413,-3.638 -12.95,-3.175 Q4_4.4@-12.83,-3.175
GV_H1: Q2_1.4 R14_1.2 | length 7.2
  Top Layer w0.254: Q2_1.4@-12.77,4.925 -12.746,4.901 -12.746,4.305 v1(-12.721,4.28)
  Layer 3 w0.254: v1(-12.721,4.28) -8.413,8.589 -8.413,8.963 v1(-8.375,9)
GV_H2: Q2_2.4 R14_2.2 | length 6.5
  Top Layer w0.254: v1(12.5,7.6) 12.5,7.547 12.581,7.466 12.581,6.958 12.664,6.875 Q2_2.4@12.77,6.875
  Layer 3 w0.254: v1(8.375,9.8) 8.375,8.925 9.8,7.5 11.379,7.5 11.479,7.6 v1(12.5,7.6)
GV_H3: Q2_3.4 R14_3.2 | length 7.7
  Top Layer w0.254: v1(12.498,-4.29) 12.498,-4.343 12.567,-4.412 12.567,-4.842 12.65,-4.925 Q2_3.4@12.77,-4.925
  Layer 3 w0.254: v1(8.5,-9) 8.992,-8.508 8.992,-6.908 11.3,-4.6 12.188,-4.6 v1(12.498,-4.29)
GV_H4: Q2_4.4 R14_4.2 | length 6.9
  Top Layer w0.254: v1@-12.825,-7.525 v1(-12.79,-7.525) -12.79,-7.51 -12.8,-7.5 -12.785,-7.485 -12.785,-6.89 Q2_4.4@-12.77,-6.875
  Layer 3 w0.254: v1@-12.772,-7.528 -12.772,-8.128 -10.9,-10 -10.129,-10 -9.729,-9.6 v1(-8.075,-9.6)
GV_L1: Q5_1.4 R15_1.2 | length 13.3
  Layer 3 w0.254: v1(-13.4,4.3) -13.393,4.307 -13.393,4.852 -8.545,9.7 -7.9,9.7 -5.5,12.1 v1(-5.5,13)
  Bottom Layer w0.254: v1(-13.4,4.3) -13.372,4.328 -13.372,4.503 -12.95,4.925 Q5_1.4@-12.83,4.925
GV_L2: Q5_2.4 R15_2.2 | length 17.5
  Top Layer w0.254: R15_2.2@4.2,5.025 4.2,4.7 4.577,4.323 7.123,4.323 v1(7.6,4.8)
  Layer 3 w0.254: v1(7.6,4.8) 7.6,4 9.127,2.473 12.873,2.473 13.8,3.4 13.8,4.7 13.1,5.4 13.1,5.8 13.387,6.087 v1(13.387,7.468)
  Bottom Layer w0.254: Q5_2.4@12.83,6.875 12.95,6.875 13.349,7.274 13.349,7.43 v1(13.387,7.468) v1@13.4,7.481
GV_L3: Q5_3.4 R15_3.2 | length 12.5
  Top Layer w0.254: R15_3.2@10.675,-13.3 10.848,-13.127 10.923,-13.127 11.19,-12.86 11.19,-12.465 v1(11.228,-12.428)
  Layer 4 w0.254: v1(11.228,-12.428) 11.9,-11.756 11.9,-9.7 10.415,-8.215 10.415,-6.585 12.158,-4.842 12.727,-4.842 13.05,-4.519 13.05,-4.444 13.148,-4.346 v1(13.148,-4.293)
  Bottom Layer w0.254: Q5_3.4@12.83,-4.925 12.95,-4.925 13.033,-4.842 13.033,-4.722 13.11,-4.645 13.11,-4.33 v1(13.148,-4.293) v1@13.193,-4.293
GV_L4: Q5_4.4 R15_4.2 | length 16.3
  Top Layer w0.254: v1(-7.809,-4.421) -7.756,-4.421 -7.658,-4.323 -4.765,-4.323 -4.573,-4.515 -4.573,-4.577 -4.2,-4.95 R15_4.2@-4.2,-5.025
  Layer 3 w0.254: v1@-13.4,-7.5 -13.372,-7.472 -13.372,-7.327 -13.018,-6.973 -12.546,-6.973 -11.019,-8.5 -8,-8.5 -7.6,-8.1 -7.6,-6.519 -8.537,-5.583 -8.537,-5.126 -7.832,-4.421 v1(-7.809,-4.421)
  Bottom Layer w0.254: v1(-13.45,-7.5) -13.4,-7.5 -13.372,-7.472 -13.372,-7.297 -12.95,-6.875 Q5_4.4@-12.83,-6.875
GW_H1: Q3_1.4 R16_1.2 | length 7
  Top Layer w0.254: Q3_1.4@-12.65,8.625 -12.567,8.542 -12.567,8.114 -12.491,8.038 v1(-12.491,7.985)
  Layer 3 w0.254: v1(-12.491,7.985) -12.491,8.668 -12.6,8.777 -12.6,9.3 -11.4,10.5 -8.7,10.5 v1(-8.3,10.9)
GW_H2: Q3_2.4 R3_2.2 | length 5.9
  Top Layer w0.254: R3_2.2@8.075,12.8 8.1,12.825 v1(8.211,12.825) ; v1(12.319,11.281) 12.319,11.228 12.567,10.98 12.567,10.658 12.65,10.575 Q3_2.4@12.77,10.575
  Layer 3 w0.254: v1(8.211,12.825) 10.775,12.825 v1(12.319,11.281)
GW_H3: Q3_3.4 R16_3.2 | length 7.2
  Top Layer w0.254: v1(12.502,-7.52) 12.502,-7.573 12.4,-7.675 12.4,-8.255 12.65,-8.505 12.65,-8.625 Q3_3.4@12.77,-8.625
  Layer 3 w0.254: v1(8.3,-10.8) 8.337,-10.762 8.538,-10.762 10.1,-9.2 11.3,-9.2 11.867,-8.633 11.867,-8.155 v1(12.502,-7.52)
GW_H4: Q3_4.4 R3_4.2 | length 6.6
  Top Layer w0.254: v1@-12.8,-11.2 -12.79,-11.19 v1@-12.785,-11.185 ; Q3_4.4@-12.77,-10.575 -12.785,-10.59 v1@-12.785,-11.185 ; v1@-12.76,-11.2 v1(-12.77,-11.21) -12.77,-11.2 v1@-12.785,-11.185 ; v1(-7.639,-12.248) -7.423,-12.248 R3_4.2@-7.375,-12.2
  Layer 3 w0.254: v1@-12.8,-11.2 -12.2,-11.2 -11.1,-12.3 -7.853,-12.3 -7.839,-12.286 -7.676,-12.286 v1(-7.639,-12.248)
GW_L1: Q6_1.4 R17_1.2 | length 17.8
  Top Layer w0.254: v1(-11.5,13.9) -11.5,13.947 -11.253,14.194 -11.253,14.888 -10.641,15.5 -6.7,15.5 -4.802,13.602 -3.327,13.602 R17_1.2@-3.3,13.575
  Layer 4 w0.254: v1(-13.446,7.983) -13.446,8.854 -11.5,10.8 v1(-11.5,13.9)
  Bottom Layer w0.254: v1(-13.446,7.983) -13.446,8.009 -13.033,8.422 -13.033,8.542 -12.95,8.625 Q6_1.4@-12.83,8.625
GW_L2: Q6_2.4 R13_2.2 | length 18.1
  Top Layer w0.254: R13_2.2@5.2,5.025 5.2,5.042 5.373,5.215 5.915,5.215 6.2,5.5 v1(7.6,5.5)
  Layer 3 w0.254: v1(7.6,5.5) 7.547,5.5 7.422,5.625 7.409,5.625 7.013,6.021 7.013,9.957 6.608,10.362 6.608,11.929 7.006,12.327 7.973,12.327 8.3,12 10.8,12 12.127,10.673 12.79,10.673 13.3,11.183 v1(13.3,11.2)
  Bottom Layer w0.254: Q6_2.4@12.83,10.575 12.95,10.575 13.262,10.887 13.262,11.162 v1(13.3,11.2)
GW_L3: Q6_3.4 R17_3.2 | length 11.8
  Top Layer w0.254: R17_3.2@10.675,-14.4 10.775,-14.3 11.245,-14.3 v1(11.282,-14.263)
  Layer 3 w0.254: v1(11.282,-14.263) 11.719,-14.7 13.7,-14.7 14.575,-13.825 14.575,-12.325 14.752,-12.148 14.752,-10.171 13.022,-8.441 v1(13.022,-7.987)
  Bottom Layer w0.254: Q6_3.4@12.95,-8.625 12.984,-8.591 12.984,-8.024 v1(13.022,-7.987)
GW_L4: Q6_4.4 R13_4.2 | length 24
  Top Layer w0.254: v1(-7.985,-5.354) -7.524,-4.893 -6.779,-4.893 -6.647,-5.025 R13_4.2@-5.2,-5.025
  Layer 3 w0.254: v1@-13.4,-11.2 -13.428,-11.228 -13.928,-11.228 -14.6,-11.9 -14.6,-13.8 -13.8,-14.6 -12,-14.6 -10.2,-12.8 -7.3,-12.8 -6.8,-12.3 -6.8,-6.539 v1(-7.985,-5.354)
  Bottom Layer w0.254: v1@-13.512,-11.212 v1(-13.497,-11.212) -13.485,-11.2 -13.4,-11.2 -13.372,-11.172 -13.372,-10.997 -12.95,-10.575 Q6_4.4@-12.83,-10.575
ISNS_U1: U3_1.10 U4_1.1 | length 10.1
  Bottom Layer w0.127: U4_1.1@-2.85,2.75 -2.788,2.689 -2.417,2.689 -2.324,2.596 -1.105,2.596 -0.25,3.451 -0.25,8.282 -0.795,8.827 -1.001,8.827 -1.524,9.35 U3_1.10@-2.05,9.35
ISNS_U2: U3_2.10 U4_2.1 | length 9.7
  Layer 3 w0.127: v1(1.585,5.025) 1.585,4.973 1.2,4.589 1.2,3.982 2.401,2.781 v1(5.75,2.781)
  Bottom Layer w0.127: U4_2.1@4.75,2.75 4.752,2.752 5.721,2.752 v1(5.75,2.781)
  Bottom Layer w0.254: v1(1.585,5.025) 1.585,5.078 1.359,5.303 1.359,6.572 1.615,6.827 2.027,6.827 U3_2.10@2.05,6.85
ISNS_U3: U3_3.10 U4_3.1 | length 9.9
  Bottom Layer w0.127: U3_3.10@2.05,-9.35 1.325,-9.35 1.091,-9.584 0.484,-9.584 0.2,-9.3 0.2,-7.023 0.9,-6.323 0.9,-4.367 2.456,-2.812 2.788,-2.812 U4_3.1@2.85,-2.75
ISNS_U4: U3_4.10 U4_4.1 | length 11.7
  Layer 3 w0.127: v1(-5.279,-3.106) -4.685,-3.7 -2.849,-3.7 -2.695,-3.854 -2.291,-3.854 -2.137,-3.7 -0.5,-3.7 -0.2,-4 -0.2,-7.233 v1(-0.446,-7.479)
  Bottom Layer w0.127: U3_4.10@-2.05,-6.85 -2.01,-6.89 -1.034,-6.89 v1(-0.446,-7.479)
  Bottom Layer w0.254: v1@-5.294,-3.106 v1(-5.279,-3.106) -4.926,-2.752 -4.752,-2.752 U4_4.1@-4.75,-2.75
ISNS_V1: U3_1.11 U4_1.7 | length 11.9
  Layer 3 w0.127: v1(-6.1,3.6) -6.038,3.662 -6.038,3.862 -3.034,6.866 v1(-0.922,6.866)
  Bottom Layer w0.127: v1(-6.1,3.6) -6.062,3.562 -6.062,3.243 -5.071,2.252 -4.752,2.252 U4_1.7@-4.75,2.25 ; U3_1.11@-2.05,8.85 -1.964,8.763 -1.641,8.763 -1.377,8.5 -0.931,8.5 -0.623,8.192 -0.623,7.165 v1(-0.922,6.866)
ISNS_V2: U3_2.11 U4_2.7 | length 6.9
  Bottom Layer w0.127: U3_2.11@2.05,7.35 1.963,7.264 1.363,7.264 0.9,6.8 0.9,3.971 2.559,2.312 2.788,2.312 U4_2.7@2.85,2.25
ISNS_V3: U3_3.11 U4_3.7 | length 12
  Layer 3 w0.127: v1(1.007,-6.906) 1.007,-5.093 2.4,-3.7 v1(4.9,-3.7)
  Bottom Layer w0.127: v1@1.013,-6.9 v1(1.007,-6.906) 1.007,-6.993 0.784,-7.216 0.784,-8.356 1.278,-8.85 U3_3.11@2.05,-8.85
  Bottom Layer w0.254: U4_3.7@4.75,-2.25 4.752,-2.252 5.071,-2.252 5.8,-2.981 5.8,-3.247 5.384,-3.662 4.938,-3.662 v1(4.9,-3.7)
ISNS_V4: U3_4.11 U4_4.7 | length 11.1
  Layer 3 w0.127: v1(-2.493,-3.365) -0.235,-3.365 0.147,-3.747 0.147,-7.577 -0.274,-7.998 -0.702,-7.998 v1(-1.1,-7.6)
  Bottom Layer w0.127: U3_4.11@-2.05,-7.35 -1.437,-7.35 -1.187,-7.6 v1(-1.1,-7.6)
  Bottom Layer w0.254: U4_4.7@-2.85,-2.25 -2.848,-2.252 -2.529,-2.252 -2.273,-2.508 -2.273,-3.092 -2.493,-3.312 v1(-2.493,-3.365) -2.455,-3.328 v1@-2.328,-3.328
NetC10_1: C10.1 L1.1 U2.5 | length 3.9
  Top Layer w0.254: L1.1@-4.275,-2.1 -4.275,-1.915 -3.802,-1.442 -3.342,-1.442 -3.193,-1.293 -3.193,-0.913 -3.02,-0.74 C10.1@-3,-0.74
  Top Layer w0.6: U2.5@-5,-0.5 -4.95,-0.55 -4.95,-1.157 -4.582,-1.525 -4.575,-1.525 -4.275,-1.825 L1.1@-4.275,-1.915
NetC10_2: C10.2 U2.6 | length 1.4
  Top Layer w0.254: U2.6@-4.05,-0.5 -4.05,-0.35 -3.518,0.182 -3.058,0.182 C10.2@-3,0.24
NetR2_1: R2.1 U1.3 | length 1.8
  Top Layer w0.254: U1.3@2.1,0.5 2.1,1.381 2.102,1.383 2.102,1.852 R2.1@2.4,2.15
OUT_U1: C3_1.2 pad.1@-15,2.2 Q1_1.1 Q1_1.2 Q1_1.3 Q4_1.5 Q4_1.6 Q4_1.7 Q4_1.8 R5_1.2 U1_1.18 | length 35.2
  Top Layer w0.254: C3_1.2@-6.1,5.36 -6.12,5.36 -6.293,5.187 -6.293,4.895 -6.665,4.523 -7.535,4.523 -7.875,4.863 v1(-7.875,6.5) -7.837,6.538 -7.837,6.775 -7.259,7.353 -6.927,7.353 -6.13,8.15 U1_1.18@-5.835,8.15
  Top Layer w0.4: pad.1@-14.675,2.525 v1(-14.2,3) -14.025,3.175 Q1_1.1@-12.77,3.175 Q1_1.2@-12.77,2.525 ; pad.1@-14.675,2.525 v1(-15,2.2) -14.675,1.875 Q1_1.3@-12.77,1.875 Q1_1.2@-12.77,2.525 ; pad.1@-14.675,2.525 Q1_1.2@-12.77,2.525
  Layer 4 w0.254: v1(-14.2,3) -14.752,3.552 -14.752,5.329 -14.6,5.481 -14.6,5.5 -13.9,6.2 -12.2,6.2 -10.3,8.1 -10.3,9.8 ; v1(-10.5,13.925) -10.5,13.878 -10.3,13.678 -10.3,9.8 ; v1(-7.875,6.5) -7.4,6.975 -7.4,9.1 -8.1,9.8 -10.3,9.8
  other v1: -15.8,1.4 -14.2,1.4 -15.8,3
OUT_U2: C1_2.2 pad.1@15,2.2 Q1_2.1 Q1_2.2 Q1_2.3 Q4_2.5 Q4_2.6 Q4_2.7 Q4_2.8 R5_2.2 U1_2.12 | length 43.7
  Top Layer w0.254: U1_2.12@5.15,7.465 5.815,7.465 5.815,7.365 6.26,6.92 C1_2.2@6.26,6.9 6.252,6.892 6.252,6.448 6.553,6.147 7.593,6.147 v1@7.631,6.184
  Top Layer w0.4: Q1_2.2@12.77,1.875 pad.1@14.675,1.875 ; Q1_2.2@12.77,1.875 Q1_2.3@12.77,2.525 14.025,2.525 pad.1@14.675,1.875 ; Q1_2.2@12.77,1.875 Q1_2.1@12.77,1.225 14.675,1.225 15,1.55 pad.1@14.675,1.875
  Layer 3 w0.254: v1(11.4,13.9) 10.754,13.9 10.254,13.4 9.58,13.4 9.28,13.7 7.737,13.7 6.154,12.117 6.154,10.174 6.291,10.038 6.291,3.91 8.3,1.9 13.8,1.9 v1@14.2,1.5
  Layer 4 w0.254: v1(7.638,6.177) 9.378,6.177 12.555,3 v1(14.2,3)
  Bottom Layer w0.254: R5_2.2@10.675,13.7 10.837,13.862 11.362,13.862 v1(11.4,13.9)
  other v1: 14.2,1.4 15.8,1.4 15,2.2 15.8,3
OUT_U3: C3_3.2 pad.1@15,-2.2 Q1_3.1 Q1_3.2 Q1_3.3 Q4_3.5 Q4_3.6 Q4_3.7 Q4_3.8 R5_3.2 U1_3.18 | length 37.1
  Top Layer w0.254: U1_3.18@6.13,-8.15 5.708,-8.15 5.7,-8.142 5.7,-7.6 6.7,-6.6 C3_3.2@7.36,-6.6 ; C3_3.2@7.36,-6.5 7.363,-6.5 v1(7.463,-6.6)
  Top Layer w0.4: Q1_3.2@12.77,-2.525 pad.1@14.675,-2.525 ; Q1_3.2@12.77,-2.525 Q1_3.3@12.77,-1.875 14.025,-1.875 pad.1@14.675,-2.525 ; Q1_3.2@12.77,-2.525 Q1_3.1@12.77,-3.175 14.675,-3.175 15,-2.85 pad.1@14.675,-2.525
  Layer 3 w0.254: v1(7.463,-6.6) 8.4,-6.6 8.853,-6.147 8.853,-5.147 9.446,-4.554 10.046,-4.554 11.7,-2.9 v1@14.2,-2.9
  Layer 4 w0.254: v1(12.975,-15.4) 13.003,-15.372 13.6,-15.372 15.32,-13.652 15.356,-13.652 15.7,-13.308 15.7,-12.3 14.7,-11.3 14.3,-11.3 11.8,-8.8 11.8,-6.719 13.7,-4.819 13.7,-3.4 v1@14.2,-2.9
  other v1: 14.2,-3 15.8,-3 15,-2.2 14.2,-1.4 15.8,-1.4
OUT_U4: C1_4.2 pad.1@-15,-2.2 Q1_4.1 Q1_4.2 Q1_4.3 Q4_4.5 Q4_4.6 Q4_4.7 Q4_4.8 R5_4.2 U1_4.12 | length 36.2
  Top Layer w0.254: v1(-8.334,-6.653) -8.298,-6.653 -7.797,-6.153 -6.829,-6.153 -6.633,-6.349 -6.633,-6.627 C1_4.2@-6.46,-6.8 -6.46,-6.82 -5.815,-7.465 U1_4.12@-5.15,-7.465
  Top Layer w0.4: pad.1@-14.675,-1.875 v1(-14.2,-1.4) -14.025,-1.225 Q1_4.1@-12.77,-1.225 Q1_4.2@-12.77,-1.875 ; pad.1@-14.675,-1.875 v1(-15,-2.2) -14.675,-2.525 Q1_4.3@-12.77,-2.525 Q1_4.2@-12.77,-1.875 ; pad.1@-14.675,-1.875 Q1_4.2@-12.77,-1.875
  Layer 3 w0.254: v1(-14.2,-3) -11.9,-3 -10.136,-4.764 -10.136,-4.851 v1(-8.334,-6.653)
  Layer 4 w0.254: v1(-14.2,-3) -14.2,-4 -12.2,-6 -12.2,-9.131 -15.9,-12.831 -15.9,-13.3 -15.4,-13.8 -15,-13.8 -13.4,-15.4 v1(-12.975,-15.4)
  other v1: -15.8,-3 -15.8,-1.4
OUT_V1: C2_1.2 pad.3@-15,5.9 Q2_1.1 Q2_1.2 Q2_1.3 Q5_1.5 Q5_1.6 Q5_1.7 Q5_1.8 R7_1.2 U1_1.15 | length 32.6
  Top Layer w0.254: v1(-8.28,7.94) -8.485,8.145 -8.845,8.145 -9.077,8.377 -9.077,9.435 -8.862,9.65 U1_1.15@-5.835,9.65
  Top Layer w0.4: pad.3@-14.675,6.225 v1(-14.2,6.7) -14.025,6.875 Q2_1.1@-12.77,6.875 Q2_1.2@-12.77,6.225 ; pad.3@-14.675,6.225 Q2_1.2@-12.77,6.225 ; pad.3@-14.675,6.225 v1(-15,5.9) -14.675,5.575 Q2_1.3@-12.77,5.575 Q2_1.2@-12.77,6.225
  Layer 3 w0.254: v1(-15.8,6.7) -15.248,7.252 -15.248,9.029 -15.527,9.308 -15.527,9.346 -15.552,9.371 -15.552,9.848 -14.7,10.7 -14.7,13.4 -13.462,14.638 v1(-10.701,14.638)
  Layer 4 w0.254: v1(-14.2,5.1) -11.3,5.1 -8.497,7.903 -8.318,7.903 v1(-8.28,7.94)
  other v1: -15.8,5.1
OUT_V2: C2_2.2 pad.2@15,5.9 Q2_2.1 Q2_2.2 Q2_2.3 Q5_2.5 Q5_2.6 Q5_2.7 Q5_2.8 R7_2.2 U1_2.15 | length 26.7
  Top Layer w0.254: U1_2.15@5.835,9.15 8.862,9.15 9.077,9.365 9.077,10.378 v1(8.665,10.79) 8.66,10.795 8.145,10.795 C2_2.2@8.14,10.8
  Top Layer w0.4: Q2_2.2@12.77,5.575 pad.2@14.675,5.575 ; Q2_2.2@12.77,5.575 Q2_2.3@12.77,6.225 14.025,6.225 pad.2@14.675,5.575 ; Q2_2.2@12.77,5.575 Q2_2.1@12.77,4.925 14.675,4.925 15,5.25 pad.2@14.675,5.575
  Layer 3 w0.254: v1(8.665,10.79) 10.21,10.79 11.6,9.4 12.6,9.4 14.172,7.828 14.172,6.728 v1(14.2,6.7)
  Layer 4 w0.254: v1(8.665,10.79) 9.8,11.925 9.8,13.425 10.327,13.952 10.699,13.952 10.848,14.101 10.848,14.148 v1(11.3,14.6)
  other v1: 14.2,5.1 15.8,5.1 15,5.9 15.8,6.7
OUT_V3: C2_3.2 pad.2@15,-5.9 Q2_3.1 Q2_3.2 Q2_3.3 Q5_3.5 Q5_3.6 Q5_3.7 Q5_3.8 R7_3.2 U1_3.15 | length 33.3
  Top Layer w0.254: U1_3.15@5.835,-9.65 8.862,-9.65 9.077,-9.435 9.077,-8.565 8.795,-8.282 v1@8.512,-8 ; C2_3.2@7.74,-8 v1(8.4,-8)
  Top Layer w0.4: Q2_3.2@12.77,-6.225 pad.2@14.675,-6.225 ; Q2_3.2@12.77,-6.225 Q2_3.1@12.77,-6.875 14.675,-6.875 15,-6.55 pad.2@14.675,-6.225 ; Q2_3.2@12.77,-6.225 Q2_3.3@12.77,-5.575 14.025,-5.575 pad.2@14.675,-6.225
  Layer 3 w0.254: v1(8.4,-8) 7.823,-8.577 7.823,-9.323 8.195,-9.695 8.805,-9.695 9.6,-8.9 9.6,-7.466 11.166,-5.9 13.5,-5.9 v1@14.2,-6.6 ; v1(15.3,-14.5) 15.3,-14.447 15.679,-14.068 15.679,-12.335 15.248,-11.904 15.248,-10.171 15.552,-9.867 15.552,-9.333 15.248,-9.029 15.248,-7.252 v1(15.8,-6.7)
  other v1: 14.2,-6.7 15,-5.9 14.2,-5.1 15.8,-5.1
OUT_V4: C2_4.2 pad.2@-15,-5.9 Q2_4.1 Q2_4.2 Q2_4.3 Q5_4.5 Q5_4.6 Q5_4.7 Q5_4.8 R7_4.2 U1_4.15 | length 29.1
  Top Layer w0.127: v1(-8.188,-10.391) -8.321,-10.258 -8.742,-10.258 -9.013,-9.987 -9.013,-9.391 -8.625,-9.002 -6.4,-9.002 -6.324,-9.079 -5.906,-9.079 U1_4.15@-5.835,-9.15
  Top Layer w0.4: pad.2@-14.675,-5.575 v1(-14.2,-5.1) -14.025,-4.925 Q2_4.1@-12.77,-4.925 Q2_4.2@-12.77,-5.575 ; pad.2@-14.675,-5.575 v1(-15,-5.9) -14.675,-6.225 Q2_4.3@-12.77,-6.225 Q2_4.2@-12.77,-5.575 ; pad.2@-14.675,-5.575 Q2_4.2@-12.77,-5.575
  Layer 3 w0.254: v1(-15.207,-14.393) -15.779,-13.821 -15.779,-12.21 -15.005,-11.435 -15.005,-10.374 -14.231,-9.6 -13.6,-9.6 -12.9,-8.9 ; v1@-14.2,-6.6 -14.2,-7.6 -12.9,-8.9 ; v1(-8.188,-10.391) -8.207,-10.391 -8.716,-10.9 -10.9,-10.9 -12.9,-8.9
  other v1: -15.8,-6.7 -14.2,-6.7 -15.8,-5.1